# Altium PCB PCB1.PcbDoc (part 2 of 2)
Units mm, origin at the board's own origin, x right, y up, seen from the top; angles counter-clockwise.
Board outline 115 x 192.02 mm, 4 copper layers (Top Layer, Signal Top, Signal Bottom, Bottom Layer), stack 0.356 mm thick; 201 components, 226 nets, 802 pads, 2 vias.
Unrouted connection lines stored in the file: 532.
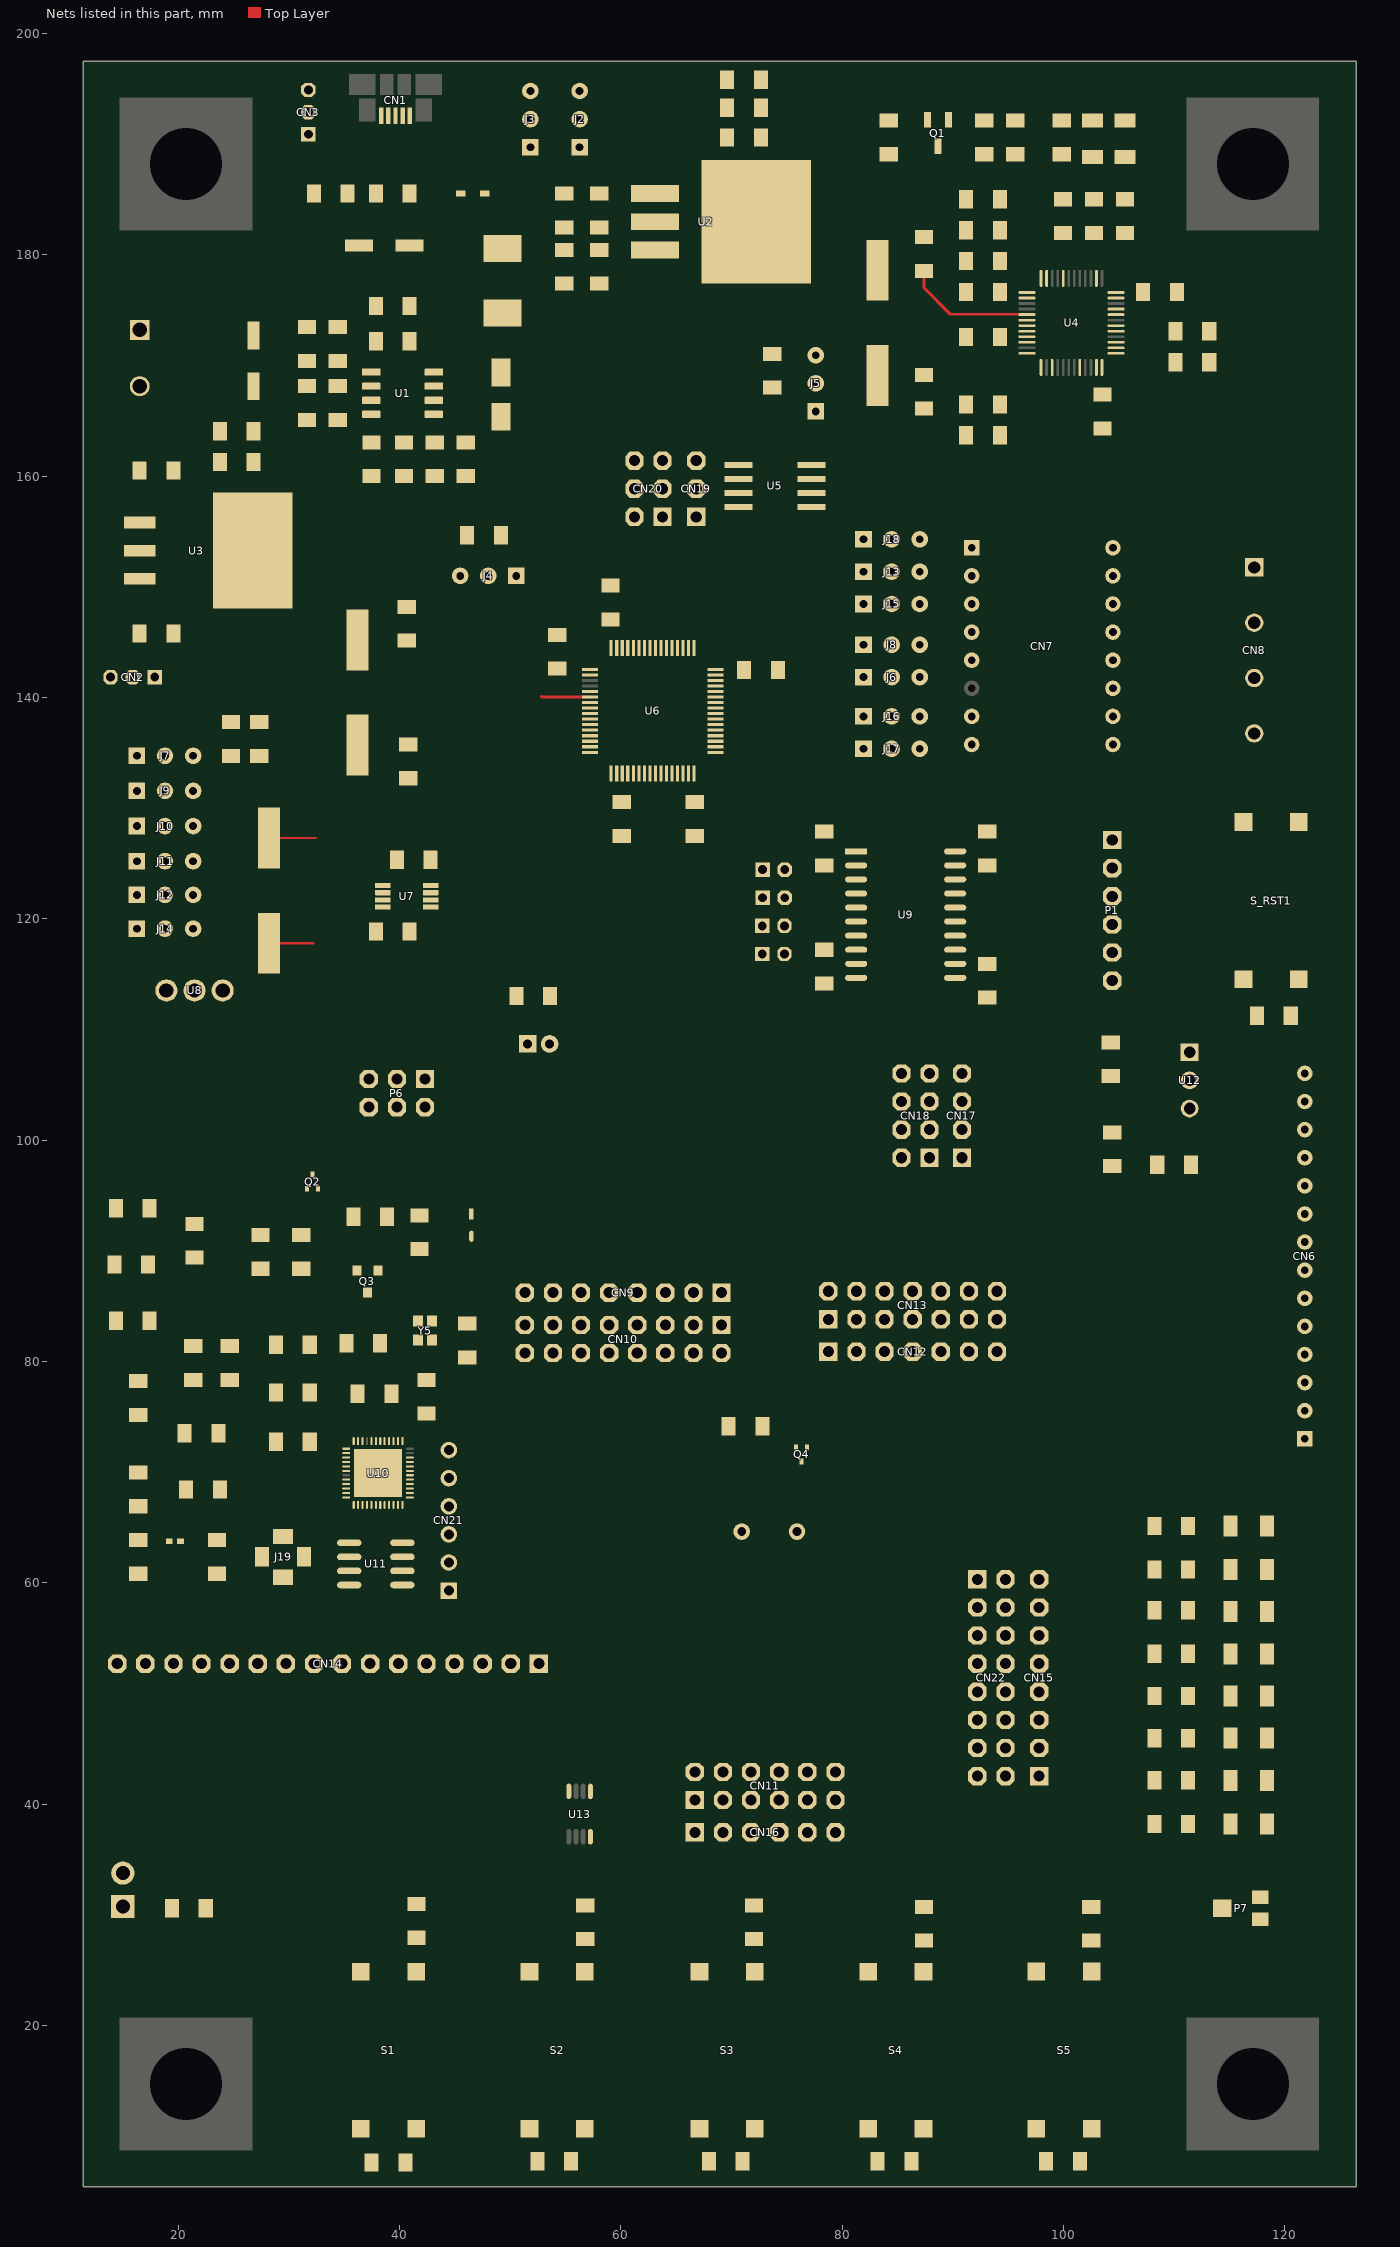
[diagram p2: the nets of this part, all layers, seen from the top]

## Part data
BUZ1: "Buzzer"
C1 C4: library part "Cap Pol", "Polarized Capacitor SMD low ESR ±1%", ComponentLink1Description=datasheet, ComponentLink2Description=supplier
C2 C3 C5 C6 C7 C8 C9 C10 C12 C13 C14 C15 C23: library part Cap, "Ceramic capacitor MLCC SMD ±5%", ComponentLink1Description=datasheet, ComponentLink2Description=supplier
C11: library part Cap, "Ceramic capacitor MLCC SMD ±5%", Voltage=100VDC, ComponentLink1Description=datasheet, ComponentLink2Description=supplier
C16: library part Cap, "Ceramic capacitor MLCC SMD ±1%", Voltage=100VDC, ComponentLink1Description=datasheet, ComponentLink2Description=supplier
C17 C18 C19 C20 C21 C22 C24 C25 C26 C27 C28 C29 C30 C33 C34 C35 C38 C39 C40 C41 C42 C43 C44 C45 C46 C47 C48 C49 C50 C51 C52 C53 C54 C55 C56 C57 C58: library part Cap, "Ceramic capacitor MLCC SMD ±1%", ComponentLink1Description=datasheet, ComponentLink2Description=supplier
C59 C60 C61 C62 C63 C64 C65: library part Cap, "Capacitor", ComponentLink1Description=datasheet, ComponentLink2Description=supplier
CN1: "Molex 473460001 microUSB Connector", Supplier Part Number 1=2426321, Published=20-Mar-2006, Shop link="TME: @MX-105017-0001", Supplier 1=Farnell, Supplier 2=TME, Supplier Part Number 2=MX-47346-0001
CN2 CN3: "Goldpin type: male 2.54mm"
CN6: library part DISPLAY_TFT_Socket_1x14
CN7: library part Step_motor_Socket_TMC2209
CN8: library part Terminal_block_1x4, 3D model link=https://www.snapeda.com/parts/282836-4/TE%20Connectivity/view-part/?ref=search&t=282836-4, Model=282836-4, Shop link=https://www.tme.eu/pl/details/282836-4/listwy-zaciskowe-do-druku/te-connectivity/
CN21: library part "Header 6", "Header, 6-Pin", LatestRevisionDate=17-Jul-2002, LatestRevisionNote="Re-released for DXP Platform.", Publisher="Altium Limited"
D1: library part CMP-1667-00003-2, "Diode Schottky SMA Capacitance 250mF forward Voltage 500mV", Average Rectified Current=3A, Capacitance=250pF, Case/Package=SMA, Forward Voltage=500mV, Max Forward Surge Current (Ifsm)=80A, Max Operating Temperature=125°C, Max Repetitive Reverse Voltage (Vrrm)=40V, Min Operating Temperature=-55°C, Package Quantity=5000, Peak Reverse Current=500uA, 3D model=https://octopart.com/b340a-13-f-diodes+inc.-325815?r=sp, Contact Plating=Tin, Current=3A, Current Rating=3A, Element Configuration=Single, Footprint model=https://octopart.com/b340a-13-f-diodes+inc.-325815?r=sp, Forward Current=3A, Height=2.3mm, Lead Free="Lead Free", Length=4.6mm, Max Reverse Voltage (DC)=40V, Mount="Surface Mount", Number of Pins=2, Output Current=3A, Packaging="Tape and Reel", Peak Non-Repetitive Surge Current=80A, Polarity=Standard, Radiation Hardening=No, REACH SVHC="No SVHC", Shop link="RS Components: @7384778P", Termination=SMD/SMT, Voltage=40V, Voltage Rating (DC)=40V, Weight=0.002258oz, Width=2.92mm
D2: library part CMP-12187-000028-1, "Diode schottky RRM", Average Rectified Current=3A, Forward Voltage=580mV, Max Forward Surge Current (Ifsm)=5A, Max Operating Temperature=150°C, Max Repetitive Reverse Voltage (Vrrm)=10V, Max Reverse Leakage Current=7.5uA, Min Operating Temperature=-65°C, Package Quantity=1, 3D model=https://octopart.com/search?autosugg_idx=0&currency=USD&oq=BAT60JFILM&q=BAT60JFILM&specs=1, Contact Plating=Tin, Current=3A, Current Rating=3A, Element Configuration=Single, Footprint model=https://octopart.com/search?autosugg_idx=0&currency=USD&oq=BAT60JFILM&q=BAT60JFILM&specs=1, Forward Current=3A, Height=1.07mm, Lead Free="Lead Free", Length=1.8mm, Max Reverse Voltage (DC)=10V, Max Surge Current=5A, Mount="Surface Mount", Number of Pins=2, Packaging="Tape and Reel", Peak Non-Repetitive Surge Current=5A, Peak Reverse Current=7.5uA, Polarity=Standard, Radiation Hardening=No, REACH SVHC="No SVHC", Shop link="RS-Components: @7146879P", Voltage=10V, Weight=0.01lb, Width=1.45mm
D3: library part LED_GREEN, "GREEN LED", Published=04-Apr-2006
D4: library part LED_RED, "RED LED", Published=04-Apr-2006
D5: library part CMP-07163-000040-1, "DIODE GEN PURP 75V 150MA SOD323F", Average Rectified Current=150mA, Forward Voltage=1V, Max Forward Surge Current (Ifsm)=2A, Max Operating Temperature=150°C, Max Repetitive Reverse Voltage (Vrrm)=75V, Min Operating Temperature=-55°C, Package Quantity=1, Peak Reverse Current=5uA, Power Dissipation=200mW, ComponentLink1Description=TME, ComponentLink1URL=https://www.tme.eu/en/details/1n4148ws/smd-universal-diodes/onsemi/, Contact Plating=Tin, Element Configuration=Single, Forward Current=150mA, Height=1mm, Lead Free="Lead Free", Length=1.8mm, Max Reverse Voltage (DC)=75V, Mount="Surface Mount", Number of Pins=2, Packaging="Tape and Reel", Radiation Hardening=No, REACH SVHC="No SVHC", Recovery Time=4ns, Reverse Recovery Time=4ns, Reverse Voltage=75V, Weight=0.0276g, Width=1.35mm
D6 D7 D8 D9 D10 D11 D12 D13: library part LED_GREEN, "GREEN LED", Current=20mA, Voltage=2,2-2,5V, Brightness=3,2÷12,5mcd, Light Angle=120, Product Nr=KP-3216SGD, Published=04-Apr-2006, Supplier="KINGBRIGHT ELECTRONIC"
D14: library part LED, "Typical RED, GREEN, YELLOW, AMBER GaAs LED", Published=04-Apr-2006
J1: library part CMP-2000-05815-1, "PCB Terminal Block Phoenix Contact,, 2-Pin THD, RoHS, Bulk", Current=13.5A, Current Rating=13500mA, Manufacturer="Phoenix Contact", Package Description="2-Pin Through Hole Device, Body 8.1 x 10.16 mm, Pitch 5.08 mm", Package Reference=1729128-2, Package Version=03/2015, Voltage=400V, 3D model=https://octopart.com/1729128-phoenix+contact-4366?r=sp, Datasheet URL=https://datasheet.ciiva.com/16046/1729128-16046181.pdf, Datasheet Version=12/2013, Footprint model=https://octopart.com/1729128-phoenix+contact-4366?r=sp, Manufacturer URL=http://www.phoenixcontact.com/, Mounting Technology=ThroughHole, No. of Positions=2, No. of Rows=1, Orientation=Horizontal, Package URL=https://www.phoenixcontact.com/online/portal/pi/pxc/product_detail_page/!ut/p/b1/3VdJjqNKFDxLH8AFycySyWY2ozFsEPOMMQaDOX1XedGL_1Vdm5YXJleknhSKeBkvI6EA8ncAo3AYoDhBQGco6KN7VURTdemj9us_IEKEZo_YHiPAEWEFmDGOHMORkqKYCORBZxgL7ZoaZYcbFFUZ3fqxSY6GOuxydWUuHqz1ynmMFygu583Bob0Ewr6Sd_l-5m-kAueHiB0jpRwZwe58wwtkpxtMYd_LmGcDRU02dRNEyWt6Y2ti5pSyJ_reIkzIulrqApdnbT11V5jnCKbYNCvhEM1MCpPByat_X379-iThf08CI5GfOPqfBeS3BRoBOdD55AKVv0iLwCMq-2BrzXWSGRH7pUGD9uwXQjiph3xL0DKQwdGa0JImiIOmBNOestqgwTHSSs2oOep-78apyXQBvNi8ZLaFjvjWvcaUEBu0MC6Wbe-d6mB0FAebo2lUWinqYaZs5DAYzV0RP9yitUjnGJ0iI9xhZkT42OCQNUJJhkgWINNQLP2JFP6OpMg3JCVg70jqHT0lvKOnhHf0lPuOnnLf0VPuWx6_dxwUIvwk5WMkT0kLL1mh61l2yZVSzG3pYV_bqo-mj6uMKwKwdnnW8Jh5RTOJzMOA5c-eJDaZQw4mTMPH02PvS_ZAqNVjVTo2WyYLkwH_KU1mmmG5kjRhDqPXLwwVHvVOjCM60-fpXvTDfMGW1PVFVS1r4e4yVDk4ZdNbkUHvqPqQSeian4UD39fNKmachqdJ1NJbyk8rXT9mXTvPk3oE5meulKGgiruPJek-4I9hTT6G8ZLOyRSm2RRVbThERQad5OS28hdt4YW4vG0stgYYzsWsK4_7y6DZMjJSCqri1kyiZR5vD7pwIrNR7QwPHTcLTI5qT7eRlpHrdGiupYlqQDJ7zy_CND8fWWBoLRXxk1RVcXiBQwbTD4Xi7KL-FuO94t9xaqweXzH, Packing=Bulk, PartNumber=1729128, Pitch=5.08mm, RoHS=TRUE, Shop link="Digi-Key: @277-1247-ND"
J2 J3 J4 J5 J6 J7 J8 J9 J10 J11 J12 J13 J14 J15 J16 J17 J18: library part Jumper1x3
J19: library part CMP-2000-05707-1, "Female MMCX Connector, 1 Position, Height 3.607 mm, -40 to 90 degC, RoHS, Bulk", Dielectric Material=LiquidCrystalPolymer(LCP), Frequency - Max=6GHz, Housing Color=Black, Manufacturer=Amphenol, Operating Temperature=-55°C~155°C, Package Description="Female MMCX Connector, 1 Position, Height 3.607 mm", Package Reference=908-22101, Standard Package=1, Voltage Rating=-, 3D model=908-22101.igs, Body Finish=Gold, Body Material=BerylliumCopper, Cable Group=-, Category=Connectors,Interconnects, Center Contact Material=BerylliumCopper, Center Contact Plating=Gold, ComponentLink1Description=TME, ComponentLink1URL=https://www.tme.eu/pl/details/908-22101t/zlacza-mcx-mmcx/amphenol-icc/, Connector Style=MMCX, Connector Type=Jack,FemaleSocket, Contact Termination=Solder, Datasheet URL=http://www.amphenolrf.com/downloads/dl/file/id/2664/product/2399/908_22101_customer_drawing.pdf, Datasheet Version="Rev. A, 05/1997", Family=CoaxialConnectors(RF), Fastening Type=Snap-On, Features=-, Impedance=50Ohm, Ingress Protection=-, Manufacturer URL=http://www.amphenol.com/, Mounting Technology=SurfaceMount, Mounting Type=SurfaceMount, Online Catalog=MMCX,MicroMate™Series, Other Names=90822101ARF1724, Packaging=Bulk, Series=MicroMate™, Shield Termination=Solder
L1: library part CMP-02424-000104-1, "IHLP2525CZER6R8M01 Commercial Inductors, High Saturation Series 6.8uH 4.5A 60mΩ 20%", Case Code (Imperial)=2525, Case Code (Metric)=6363, Current=4.5A, DC Resistance (DCR)=60mR, Inductance Tolerance=20%, Max DC Current=8A, Max Operating Temperature=125°C, Min Operating Temperature=-55°C, Package Quantity=2000, Self Resonant Frequency=5MHz, Test Frequency=100kHz, 3D model=https://octopart.com/ihlp2525czer6r8m01-vishay-39619540?r=sp#CadModels, Case/Package=2525, Contact Plating=Tin, Core Material=Metal, Current Rating=4.5A, Depth=6.72mm, Footprint model=https://octopart.com/ihlp2525czer6r8m01-vishay-39619540?r=sp#CadModels, Height=3mm, Height - Seated (Max)=0.118inch, Inductance=6.8uH, Lead Free="Lead Free", Length=7.24mm, Military Standard=Not, Mount="Surface Mount", Number of Pins=2, Packaging="Tape and Reel", Radiation Hardening=No, RMS Current (Irms)=4.5A, Saturation Current=8A, Shielding=Shielded, Shop link="Mouser: @70-IHLP2525CZER6R8M1", Termination=SMD/SMT, Tolerance=20%, Width=0.255inch
L3: library part Inductor, "0402", Code_IEC=1005, Code_JEITA=0402, ComponentLink1Description="New link", ComponentLink1URL=https://www.tme.eu/pl/details/0402as-2n7k-08/dlawiki-smd-0402/fastron/, LatestRevisionDate=29-May-2009, LatestRevisionNote="IPC-7351 Footprint Added.", PackageDescription="Chip Inductor", PackageReference=0402-A, Published=8-Jun-2000, Publisher="Altium Limited"
P1: library part CN_6x1
P2 P3 P4 P5: library part CN_2x1
P7: library part 3305SMD-10K, "3305SMD-10K", ComponentLink1Description=datasheet, ComponentLink2Description=supplier, Published=21-10-2009
Q1: library part CMP-1048-00073-1, "Bipolar Transistor,, Low VCE(sat), NPN Single, 3-Pin CPH, Pb-Free, Tape and Reel", Current="0.7 A", Manufacturer="On Semiconductor", Voltage="30 V", 3D model=https://octopart.com/30c02ch-tl-e-onsemi-20815499?r=sp#Specs, ComponentLink1Description="Manufacturer URL", ComponentLink1URL=http://www.onsemi.com/, ComponentLink2Description=Datasheet, ComponentLink2URL=http://www.onsemi.com/pub_link/Collateral/30C02CH-D.PDF, ComponentLink3Description="Package Specification", ComponentLink3URL=http://www.onsemi.com/pub_link/Collateral/50A02CH-D.PDF, Footprint model=https://octopart.com/30c02ch-tl-e-onsemi-20815499?r=sp#Specs, IC Continuous (A)=0.7, Mounting Technology="Surface Mount", PackageDescription="3-Pin Small Outline Transistor, Body 2.9 x 1.6 mm, Pitch 0.95 mm", PackageReference=CPH-3, Packing="Tape and Reel", PartNumber=30C02CH-TL-E, Polarity=NPN, RoHS=TRUE, Shop link="Digi-Key: @30C02CH-TL-EOSTR-ND"
Q2: library part CMP-1048-00415-1, "PNP Silicon General Purpose Amplifier Transistor, 3-Pin SC-75, Pb-Free, Tape and Reel", Manufacturer="On Semiconductor", PartNumber=2SA1774G, ComponentLink1Description="Manufacturer URL", ComponentLink1URL=http://www.onsemi.com/, ComponentLink2Description=Datasheet, ComponentLink2URL=http://www.onsemi.com/pub_link/Collateral/2SA1774-D.PDF, ComponentLink3Description="Package Specification", ComponentLink3URL=http://www.onsemi.com/pub_link/Collateral/463-01.PDF, ComponentLink4Description=TME, ComponentLink4URL=https://www.tme.eu/en/details/2sa1774g/pnp-smd-transistors/onsemi/, DatasheetVersion="Rev. 9", IC Continuous (A)=-0.1, Mounting Technology="Surface Mount", PackageDescription="3-Pin Small Outline Transistor, Body 1.6 x 0.8 mm, Pitch 0.5 mm", PackageReference=SC-75-3-463-01, PackageVersion="Rev. F, 07/2005", Packing="Tape and Reel", Polarity=PNP, RoHS=TRUE
Q3: library part CMP-1048-00763-1, "General Purpose Transistor, NPN Silicon, 3-Pin SOT-23, Pb-Free, Tape and Reel", Manufacturer="On Semiconductor", PartNumber=BC847ALT1G, ComponentLink1Description="Manufacturer URL", ComponentLink1URL=http://www.onsemi.com/, ComponentLink2Description=Datasheet, ComponentLink2URL=http://www.onsemi.cn/pub_link/Collateral/BC846ALT1-D.PDF, ComponentLink3Description="Package Specification", ComponentLink3URL=http://www.onsemi.cn/pub_link/Collateral/318-08.PDF, ComponentLink4Description=TME, ComponentLink4URL=https://www.tme.eu/en/details/bc847alt1g/npn-smd-transistors/onsemi/, DatasheetVersion="Rev. 11", fT Min (MHz)=100, IC Continuous (A)=0.1, Mounting Technology="Surface Mount", PackageDescription="3-Pin Small Outline Transistor, Body 2.92 x 1.3 mm, Pitch 0.95 mm", PackageReference=SOT-23-3-318-08, PackageVersion="Rev. AP, 11/2009", Packing="Tape and Reel", Polarity=NPN, RoHS=TRUE
Q4: library part CMP-1048-00420-1, "General Purpose Transistor, NPN Silicon, 3-Pin SC-75, Pb-Free, Tape and Reel", Manufacturer="On Semiconductor", ComponentLink1Description="Manufacturer URL", ComponentLink1URL=http://www.onsemi.com/, ComponentLink2Description=Datasheet, ComponentLink2URL=http://www.onsemi.cn/pub_link/Collateral/MMBT3904TT1-D.PDF, ComponentLink3Description="Package Specification", ComponentLink3URL=http://www.onsemi.com/pub_link/Collateral/463-01.PDF, DatasheetVersion="Rev. 5", fT Min (MHz)=300, IC Continuous (A)=0.2, Mounting Technology="Surface Mount", PackageDescription="3-Pin Small Outline Transistor, Body 1.6 x 0.8 mm, Pitch 0.5 mm", PackageReference=SC-75-3-463-01, PackageVersion="Rev. F, 07/2005", Packing="Tape and Reel", PartNumber=MMBT3904TT1G, Polarity=NPN, RoHS=TRUE
R1 R2 R3 R4 R5: library part Res, "Resistor SMD  ±1%", ComponentLink1Description=datasheet, ComponentLink2Description=supplier, Published=19-Feb-2006
R6 R7 R8 R9 R10 R11 R12 R13 R14 R15 R16 R17 R18 R19 R20 R21 R22 R23 R24 R25 R26 R28 R29 R30 R31 R32 R33: library part Res, "Resistor SMD  ±5%", ComponentLink1Description=datasheet, ComponentLink2Description=supplier, Published=19-Feb-2006
R34 R35 R36 R37 R38 R39 R40 R41 R42 R43 R44 R45 R46 R47 R48 R49 R50: library part Res, "Resistor", ComponentLink1Description=datasheet, ComponentLink2Description=supplier, Published=19-Feb-2006
S1 S2 S3 S4 S5 S_RST1: "DIPTRONICS Brown 12x12mm SMD Tactile SPST-NO Switch", Supplier Part Number 1=DTSM-25N-V-B, Supplier 1=TME
U1: library part CMP-0323-00203-3, "Buck Step Down Regulator SMD  -40 to 150 degC,", Current=3A, Manufacturer="Texas Instruments", Rating=Catalog, Switch Current Limit(Typ)(A)=3.5, Voltage="3.5 to 28 VIN ; 0.8 to 25 VOUT", 3D model=https://octopart.com/tps54331d-texas+instruments-8252552?r=sp, Code_JEDEC=MS-012AA, ComponentLink1Description=Datasheet, ComponentLink1URL=http://www.ti.com/general/docs/lit/getliterature.tsp?genericPartNumber=TPS54331&fileType=pdf, ComponentLink2Description="Package Specification", ComponentLink2URL=http://www.ti.com/litv/pdf/msoi002j, ComponentLink3Description="URL Link1", ComponentLink3URL="Samples URL:http://www.ti.com/product/tps54331#samples", DatasheetVersion=SLVS839D, Duty Cycle(Max)(%)=90, Eco-Plan="Green (RoHS & no Sb/Br)", Footprint model=https://octopart.com/tps54331d-texas+instruments-8252552?r=sp, Iout(Max)(A)=3, Iq(Typ)(mA)=0.11, Mounting Technology="Surface Mount", PackageDescription="8-Pin Plastic Small Outline Integrated Circuit, 4.9 x 3.9 mm, Pitch 1.27 mm Pitch", PackageReference=D0008A, PackageVersion="revM, Jun-2011", PartNumber=TPS54331D, Regulated Outputs(#)=1, Shop link="RS Components: @6618521P", SubFamily="Step-Down Regulator", Topology=Buck, Vin(Max)(V)=28, Vin(Min)(V)=3.5, Vout(Max)(V)=25, Vout(Min)(V)=0.8
U2: library part CMP-06324-000026-1, "IC REG LINEAR 3.3V 3A TO263-3", Case/Package=TO-263-4, Dropout Voltage=370mV, Max Operating Temperature=125°C, Min Operating Temperature=-40°C, Output Current=3A, Output Voltage=3.3V, Lead Free="Lead Free", Mount="Surface Mount", Number of Regulators=1, Packaging="Tape and Reel", Shoplink="TME: @ MIC29300-3.3WU"
U3: library part CMP-0062-00646-4, "Series 3-Terminal Positive Regulators, 3-pin TO-263, Pb-Free", Current=1.5A, Manufacturer="Texas Instruments", PackageTopMarking="NSUZXYTTE#*LM340S*-12 P+", PowerWise=N, Voltage=35V, 3D model=https://octopart.com/lm340s-12%2Fnopb-texas+instruments-24813791?r=sp#CadModels, Code_JEDEC=MO-169-AA, ComponentLink1Description="Datasheet URL", ComponentLink1URL=http://www.ti.com/general/docs/lit/getliterature.tsp?genericPartNumber=LM340&fileType=pdf, CompType="LDO IC", Footprint model=https://octopart.com/lm340s-12%2Fnopb-texas+instruments-24813791?r=sp#CadModels, PackageDescription="TO-263, Molded, .400 x .390 x .180in, 3 Lead, .1in Pitch, Surface Mount", PackageReference=KTT0003B, PinCount=3, RoHS=Y, Shop link="Mouser: @926-LM340S-12/NOPB"
U4: library part CMP-0237-00250-3, "ARM Cortex-M3 32-bit MCU, 128 KB Flash, 20 KB Internal RAM, 37 I/Os, 48-pin LQFP, -40 to 85 degC, Tray", I/Os (High Current)=37, Operating Frequency(F) (Processor speed) (MHz)=72, Supply Voltage(Vcc) min (V)=2, Voltage=3.3V, 3D model=https://octopart.com/stm32f103cbt6-stmicroelectronics-7868657?r=sp#Specs, A/D Converter="2x12-bit (10 Channel)", ComponentLink1Description="Manufacturer URL", ComponentLink1URL=http://www.st.com/web/en/home.html, ComponentLink2Description=Datasheet, ComponentLink2URL=http://www.st.com/st-web-ui/static/active/en/resource/technical/document/datasheet/CD00161566.pdf, ComponentLink3Description="Package Specification", ComponentLink3URL=http://www.st.com/st-web-ui/static/active/en/resource/technical/document/datasheet/DM00058181.pdf, Core="ARM Cortex-M3", DatasheetVersion="Rev. 16", FLASH Size (Prog) (kB)=128, Footprint model=https://octopart.com/stm32f103cbt6-stmicroelectronics-7868657?r=sp#Specs, Internal RAM Size (kB)=20, Mounting Technology="Surface Mount", PackageDescription="48-Pin Low Profile Quad Flat Package, 7 x 7 mm Body, 0.5 mm Pitch", PackageReference=LQFP48, PackageVersion="Rev. 6, 06/2013", Packing=Tray, PartNumber=STM32F103CBT6, Shop link="Digi-Key: @497-6288-ND"
U5: library part EEPROM_24LC512_I/SN, 3D model link=https://www.snapeda.com/parts/24LC512-I/SN/Microchip%20Technology/view-part/?ref=search&t=%2024LC512-I%2FSN, Assembly type=SMD, Footprint link=https://www.snapeda.com/parts/24LC512-I/SN/Microchip%20Technology/view-part/?ref=search&t=%2024LC512-I%2FSN, Model=24LC512-I/SN, Shop link=https://www.tme.eu/pl/details/24lc512-i_sn/pamieci-eeprom-szeregowe/microchip-technology/
U6: library part ARM_Microcontroller_STM32L476RG, 3D model link=https://www.st.com/en/microcontrollers-microprocessors/stm32l476rg.html#cad-resources, Assembly type=SMD, Footprint link=https://www.snapeda.com/parts/STM32L476RGT6/STMicroelectronics/view-part/?ref=search&t=STM32L476RGT6, Model=STM32L476RGT6, Shop link=https://pl.mouser.com/ProductDetail/STMicroelectronics/STM32L476RGT6?qs=o58qnh%2FCpu44V%252B7CaDZzCA%3D%3D
U7: library part RTC_DS1339AU, 3D model link=https://www.snapeda.com/parts/DS1339AU%2B/Maxim%20Integrated/view-part/?ref=search&t=DS1339AU%2B, Assembly type=SMD, Footprint link=https://www.snapeda.com/parts/DS1339AU%2B/Maxim%20Integrated/view-part/?ref=search&t=DS1339AU%2B, Model=DS1339AU+, Shop link=https://www.tme.eu/pl/details/ds1339au+/uklady-rtc/analog-devices-maxim-integrated/
U8: library part Encoder_EC12E1220405, 3D model link=https://www.snapeda.com/parts/EC12E1220405/ALPS/view-part/?ref=search&t=EC12E1220405, Footprint link="Own design", Model=EC12E1220405, Shop link=https://www.tme.eu/pl/details/ec12e1220405/enkodery-inkrementalne/alps/
U9: library part CMP-09096-000011-1, "DGTL ISO RS422/RS485 20SOIC TME@ADM2587EBRWZ-REEL7", Manufacturer="Analog Devices", Max Supply Voltage=5V, Min Supply Voltage=3.3V, Nominal Supply Current=72-125mA, Package=RW-20, Temperature="-40°C to +85°C", Temperature Range High=+85°C, Temperature Range Low=-40°C, Automotive=No, Category=IC, ComponentLink2Description=Datasheet, ComponentLink2URL=https://www.analog.com/media/en/technical-documentation/data-sheets/adm2582e_2587e.pdf, ComponentLink3Description=TME, ComponentLink3URL=https://www.tme.eu/pl/details/adm2587ebrwz-reel7/uklady-scalone-interfejs-rs232-422-485/analog-devices/, Data Rate=500kbits/s, Device Class L1="Integrated Circuits (ICs)", Device Class L2="Interface ICs", Device Class L3="RS-232 / RS-422 / RS-485 Interface ICs", Digikey Description="DGTL ISO RS422/RS485 20SOIC", Height=2.65mm, Interface=RS-485,RS-422, Ipc Land Pattern Name=SOIC127P1032X250-20, Lead Free=Yes, Manufacturer Part Number=ADM2587EBRWZ-REEL7, Mouser Description="Digital Isolators 2.5kV Sgnl & Pwr Iso Full/Hlf Duplx", Number Of Receivers=1, Number Of Transmitters=1, Octopart=https://octopart.com/adm2587ebrwz-reel7-analog+devices-12809043, RoHS=TRUE, Simplex Duplex="Full Duplex", Standoff Height=0.1mm
U10: library part CMP-194065-000007-1, "IC RF TXRX+MCU BLUETOOTH 48VFQFN", Current - Receiving=100mA, Current - Transmitting=240mA, Frequency=2.4GHz, Max Operating Temperature=125°C, Min Operating Temperature=-40°C, Data Rate=150Mbps, Interface=I2C, Memory Size=520KB, Number of GPIO=34, Packaging="Tape and Reel", Sensitivity=-98dBm
U11: library part CMP-0357-00072-1, "4 Mb (x1) Serial NOR Flash Memory, 75 MHz, 2.3 to 3.6 V, 8-pin SO8 Narrow (MN), Tube", Manufacturer=Micron, Package="SO8 NarrowÂ", Voltage=2.3V-3.6VÂ, Applications=EmbeddedÂ, ComponentLink1Description="Manufacturer URL", ComponentLink1URL=http://www.micron.com/, ComponentLink2Description=Datasheet, ComponentLink2URL=http://www.micron.com/~/media/Documents/Products/Data%20Sheet/NOR%20Flash/Serial%20NOR/M25P/M25P40.pdf, ComponentLink3Description="Package Specification", ComponentLink3URL=http://www.micron.com/~/media/Documents/Products/Data%20Sheet/NOR%20Flash/Serial%20NOR/M25P/M25P05A.pdf, DatasheetVersion="Rev. Y", Density=4MbÂ, Mounting Technology="Surface Mount", PackageDescription="8-Pin SO Narrow, 3.9 X 4.9 mm, Pitch 1.27 mm", PackageReference=MICT-MN-8, PackageVersion="Rev 11", Part Family=M25PÂ, Part Status=ProductionÂ, PartNumber=M25P40-VMN6P, RoHS=YesÂ, Speed="75 MHzÂ", Type="Data StorageÂ", Width=x1Â
U12: library part TSOP31236, "Remote Receiver Sensor, 36.0kHz 45m Through Hole", Package=None, Availability=Unavailable, MF="Vishay Semiconductor", MP=TSOP31236, Price=None, SnapEDA_Link=https://www.snapeda.com/parts/TSOP31236/Vishay%20Semiconductor%20Opto%20Division/view-part/266363/?ref=snap
U13: library part CMP-0253-00036-2, "High-Precision 1-Wire Digital Thermometer, -55 to 125 degC, 8-Pin SOP (U8+1), Pb-Free", Generic Part Number=DS18B20, Temp. Thresh.="Programmable (NV)", Code_JEDEC=MO-187, ComponentLink1Description="Manufacturer URL", ComponentLink1URL=http://www.maximintegrated.com/, ComponentLink2Description=Datasheet, ComponentLink2URL=http://datasheets.maximintegrated.com/en/ds/DS18B20.pdf, ComponentLink3Description="Package Specification", ComponentLink3URL=http://pdfserv.maximintegrated.com/package_dwgs/21-0036.PDF, DatasheetVersion="Rev. 4", Interface=1-Wire, Mounting Technology="Surface Mount", Multi Droppable=Yes, PackageDescription="8-Pin Micro-MAX, Thin Shrink Small-Outline (U8+1), Body 3 x 3 mm, Pitch 0.65 mm", PackageReference=U8+1, PackageVersion="Rev. L, 08/2009", Parasite Pwr.=Yes, PartNumber=DS18B20U+, RoHS=Pb-Free, Sensor Type=Local
Y1 Y2 Y3: library part XTAL_2PIN, "Crystal Oscillator (20pF)", ComponentLink1Description=datasheet, ComponentLink2Description=supplier
Y5: library part CMP-06858-000003-1, "XTAL OSC XO 40.0000MHZ CMOS SMD", Case/Package=CSMD, Frequency=40MHz, Frequency Stability=50ppm, Load Capacitance=15pF, Max Operating Temperature=70°C, Max Supply Current=15mA, Max Supply Voltage=3.63V, Min Operating Temperature=-10°C, Min Supply Voltage=2.97V, Operating Supply Voltage=3.3V, Package Quantity=3000, Contact Plating=Gold, Depth=2mm, Height=0.039inch, Length=2.5mm, Mount="Surface Mount", Packaging="Tape and Reel", Radiation Hardening=No, Termination=SMD/SMT, Width=0.079inch
L2: Assembly type=THT, Model=COIL0406-0.1, Shop link=https://www.tme.eu/pl/details/coil0406-0.1/dlawiki-pionowe/ferrocore/

## Free pads (board coordinates)
  rect 12x12 hole 6.5 paste+0 mask+0.03: 1(20.701,188.214) 2(117.094,188.214) 3(20.701,14.732) 4(117.094,14.732)

## Via types
v1: diameter 6, hole 3, Top Layer to Bottom Layer, 2 vias

## Nets (pads, with @x,y where several pads share a name; then routed paths per layer and width w, separated by ;. In a path a pad name is that pad's centre, name@x,y a point inside that pad or via, vN(x,y) a via of type N, cw(c..) or ccw(c..) an arc to the next point about the centre after c; other vN are vias at no path point)
+5V: BUZ1.1 C1.1 C3.2 CN1.1 CN3.3 D2.2 L1.2 P7.2 R2.2 R10.2 R35.1 R36.1 R37.1 R38.1 R39.1 R40.1 R41.1 R42.1 R43.1 R44.1 R45.1 R46.1 R47.1 R48.1 R49.2 R50.1 U13.8
+12V: C11.2 CN2.3 CN7.9 U3.3
AGND: C33.1 U6.12
BOOT0: J4.2 U6.60
CNA1: CN9.1 CN10.1
CNA2: CN9.2 CN10.3
CNA3: CN9.3 CN10.5
CNA5: CN9.5 CN10.9
CNA6: CN9.6 CN10.11
CNA7: CN9.7 CN10.13 P7.3
CNA8: CN9.8 CN10.15
CNA13: CN17.2 CN17.3 CN18.3 CN18.5
CNA15: CN17.4 CN18.7
CNB0: CN12.6 CN13.11
CNB1: CN12.5 CN13.9
CNB2: CN12.4 CN13.7
CNB3: CN12.3 CN13.5
CNB4: CN12.2 CN13.3
CNB5: CN12.1 CN13.1
CNB11: CN12.7 CN13.13
DISP_TFT_DC: CN6.10 U6.62
DISP_TFT_RST: CN6.11 U6.29
DISP_TFT_T_IRQ: CN6.1 U6.61
EEPROM_0: CN19.3 CN20.5
EEPROM_1: CN19.2 CN20.3
EEPROM_2: CN19.1 CN20.1
EEPROM_A0: CN20.6 U5.1
EEPROM_A1: CN20.4 U5.2
EEPROM_A2: CN20.2 U5.3
EN_A: J12.3 U8.1
EN_B: J14.3 U8.3
ESP.VDD_SDIO: C42.2 U10.26
ESP_0RXD: P6.3 Q3.3 R30.2 U10.40
ESP_0TXD: P6.4 R31.1 U10.41
ESP_CLK: U10.31 U11.6
ESP_GPIO0: CN14.16 U10.23
ESP_GPIO2: CN14.15 U10.22
ESP_GPIO4: CN14.14 U10.24
ESP_GPIO5: CN14.13 U10.34
ESP_GPIO12: CN21.3 U10.18
ESP_GPIO13: CN21.4 U10.20
ESP_GPIO14: CN21.1 U10.17
ESP_GPIO15: CN21.2 U10.21
ESP_GPIO16: CN14.12 U10.25
ESP_GPIO17: CN14.11 U10.27
ESP_GPIO18: CN14.10 U10.35
ESP_GPIO19: CN14.9 U10.38
ESP_GPIO21: CN14.8 U10.42
ESP_GPIO22: CN14.7 U10.39
ESP_GPIO23: CN14.6 U10.36
ESP_GPIO25: CN14.5 U10.14
ESP_GPIO26: CN14.4 U10.15
ESP_GPIO27: CN14.3 U10.16
ESP_GPIO32: CN21.5 U10.12
ESP_GPIO33: CN21.6 U10.13
ESP_GPIO34: CN14.2 U10.10
ESP_GPIO35: CN14.1 U10.11
ESP_SCS: U10.30 U11.1
ESP_SDI: U10.32 U11.5
ESP_SDO: U10.33 U11.2
ESP_SHD: U10.28 U11.7
ESP_SWP: U10.29 U11.3
ESP_VDDA43: C12.2 C13.2 C17.2 C18.2 C19.2 C20.2 C24.2 C25.2 C26.2 C27.2 C28.2 C29.2 C30.2 C38.2 C39.2 C40.2 C41.2 C43.2 C44.2 C46.2 C47.2 C48.2 C49.2 C51.2 C52.2 C53.2 CN6.7 CN6.14 CN7.15 D3.1 J4.1 J5.1 J18.1 L2.1 Q1.3 Q2.2 R7.1 R19.1 R23.1 R24.1 R26.2 R28.1 R30.1 U2.3 U4.1 U4.9 U4.24 U4.36 U4.48 U5.8 U6.1 U6.19 U6.32 U6.48 U6.64 U7.8 U9.2 U9.8 U9.12 U9.19 U10.1 U10.3 U10.4 U10.37 U10.43 U10.46 U11.8 Y5.4
ESP_XTAL_N: C57.2 U10.44 Y5.1
ESP_XTAL_P: C56.2 U10.45 Y5.3
EX_GND: C1.2 C3.1 C4.2 C5.1 C6.1 C8.1 C9.1 C10.1 C11.1 C16.1 CN2.1 CN2.2 CN7.10 D1.2 J1.1 R3.1 R4.1 R5.1 R6.1 U1.7 U3.2 U3.4
GND: C12.1 C13.1 C14.1 C15.1 C17.1 C18.1 C19.1 C20.1 C21.1 C22.1 C23.1 C24.1 C25.1 C26.1 C27.1 C28.1 C29.1 C30.1 C34.1 C35.1 C38.1 C39.1 C40.1 C41.1 C42.1 C43.1 C44.1 C46.1 C47.1 C48.1 C49.1 C51.1 C52.1 C53.1 C55.1 C56.1 C57.1 C58.1 C59.2 C60.2 C61.2 C62.2 C63.2 C64.2 C65.1 CN1.5 CN3.1 CN3.2 CN6.13 CN7.16 D4.2 J5.3 J18.3 J19.2 J19.3 J19.4 L3.1 P1.1 P1.6 P7.1 Q3.2 Q4.2 R6.2 R8.2 R14.2 R15.2 R16.1 R22.1 R25.2 R33.2 S1.2 S2.2 S3.2 S4.2 S5.2 S_RST1.2 U2.2 U2.4 U4.8 U4.20 U4.23 U4.35 U4.47 U5.4 U6.18 U6.31 U6.47 U6.63 U7.3 U7.4 U8.2 U9.1 U9.3 U9.9 U9.10 U9.11 U9.14 U9.16 U9.20 U10.49 U11.4 U12.1 U13.4 Y5.2
I2C_SCL: J7.3 R23.2 U5.6 U7.6
I2C_SDA: J9.3 R24.2 U5.5 U7.5
IR_D: CN9.4 CN10.7 D14.2
IR_OUT: CN17.1 CN18.1 R48.2 U12.3
LED0: CN15.8 CN22.2 D6.2
LED1: CN15.7 CN22.4 D7.2
LED2: CN15.6 CN22.6 D8.2
LED3: CN15.5 CN22.8 D9.2
LED4: CN15.4 CN22.10 D10.2
LED5: CN15.3 CN22.12 D11.2
LED6: CN15.2 CN22.14 D12.2
LED7: CN15.1 CN22.16 D13.2
LED-STLINK: R17.2 R21.2 U4.30
LNA_IN: C54.2 L3.2 U10.2
MOTOR_DIR: CN7.8 J17.3
MOTOR_MS1: CN7.2 J13.3
MOTOR_MS2: CN7.3 J15.3
MOTOR_STEP: CN7.7 J16.3
NetBUZ1_2: BUZ1.2 Q4.3
NetC2_1: C2.1 U1.1
NetC2_2: C2.2 D1.1 L1.1 U1.8
NetC7_1: C7.1 R5.2
NetC7_2: C7.2 C8.2 U1.6
NetC9_2: C9.2 U1.4
NetC14_2: C14.2 C15.2 D2.1 U2.1
NetC21_2: C21.2 U4.5 Y1.2 | length 11.8
  Top Layer w0.25: C21.2@87.376,178.562 87.37,177.044 89.754,174.641 U4.5@96.686,174.613
NetC22_2: C22.2 U4.6 Y1.1
NetC23_2: C23.2 R19.2 U4.7
NetC34_2: C34.2 R9.2 U6.5 Y3.2
NetC35_2: C35.2 U6.6 Y3.1 | length 4.4
  Top Layer w0.3: 52.842,140.082 U6.6@57.195,140.061
NetC54_1: C54.1 C55.2 J19.1
NetC58_2: C58.2 D5.2 R29.2
NetC64_1: C64.1 S_RST1.1 U6.7
NetC65_2: C65.2 R49.1 U12.2
NetCN1_2: CN1.2 J3.2
NetCN1_3: CN1.3 J2.2
NetCN1_4: CN1.4 R22.2
NetCN7_1: CN7.1 J18.2
NetCN7_11: CN7.11 CN8.1
NetCN7_12: CN7.12 CN8.2
NetCN7_13: CN7.13 CN8.3
NetCN7_14: CN7.14 CN8.4
NetD3_2: D3.2 R17.1
NetD4_1: D4.1 R21.1
NetD6_1: D6.1 R36.2
NetD7_1: D7.1 R38.2
NetD8_1: D8.1 R39.2
NetD9_1: D9.1 R40.2
NetD10_1: D10.1 R42.2
NetD11_1: D11.1 R43.2
NetD12_1: D12.1 R44.2
NetD13_1: D13.1 R46.2
NetD14_1: D14.1 R50.2
NetJ2_1: J2.1 R13.2 R20.2
NetJ3_1: J3.1 R18.2
NetJ4_3: J4.3 R25.1
NetJ5_2: J5.2 U5.7
NetJ10_1: J10.1 P4.2
NetJ11_1: J11.1 P5.2
NetP2_2: P2.2 U6.52
NetP3_2: P3.2 U6.51
NetQ1_1: Q1.1 R10.1 R12.1 R14.1
NetQ1_2: Q1.2 R13.1
NetQ2_1: Q2.1 R28.2 R31.2
NetQ3_1: Q3.1 R32.1 R33.1
NetQ4_1: Q4.1 R34.2
NetR1_1: R1.1 R4.2 U1.3
NetR2_1: R2.1 R3.2 U1.5
NetR7_2: R7.2 R8.1 U4.10
NetR9_1: R9.1 U4.29
NetR15_1: R15.1 U4.2
NetR16_2: R16.2 U4.44
NetR26_1: R26.1 U7.7
NetU7_1: U7.1 Y2.2 | length 4.3
  Top Layer w0.2: Y2.2@28.194,127.312 32.448,127.312
NetU7_2: U7.2 Y2.1 | length 4
  Top Layer w0.2: Y2.1@28.194,117.812 32.194,117.812
PA0_UART4_TX: J6.2 U6.14
PA1_UART4_RX: J8.2 U6.15
PA2: U4.13 U6.16
PA3: U4.12 U6.17
PA4: CN10.16 U6.20
PA5: CN10.14 U6.21
PA6: CN10.12 U6.22
PA7: CN10.10 U6.23
PA8: CN10.8 U6.44
PA9: CN10.6 U6.42
PA10: CN10.4 U6.43
PA11: CN10.2 U6.41
PA12: J13.2 U6.45
PA12_IO: CN18.2 J13.1
PA13: J15.2 U6.46
PA13_IO: CN18.4 J15.1
PA14: J16.2 U6.49
PA14_IO: CN18.6 J16.1
PA15: J17.2 U6.50
PA15_IO: CN18.8 J17.1
PB0: CN11.12 U6.26
PB1: CN11.10 U6.27
PB2: CN11.8 U6.28
PB3: CN11.6 U6.55
PB4: CN11.4 U6.56
PB5: CN11.2 U6.57
PB6: J7.2 U6.58
PB6_IO: CN13.12 J7.1
PB7: J9.2 U6.59
PB7_IO: CN13.10 J9.1
PB11: CN13.14 U6.30
PC0: J10.2 U6.8
PC0_IO: CN13.8 J10.3
PC1: J11.2 U6.9
PC1_IO: CN13.6 J11.3
PC2: J12.2 U6.10
PC2_IO: CN13.4 J12.1
PC3: J14.2 U6.11
PC3_IO: CN13.2 J14.1
PC4: CN22.1 U6.24
PC5: CN22.3 U6.25
PC6: CN22.5 U6.37
PC7: CN22.7 U6.38
PC8: CN22.9 U6.39
PC9: CN22.11 U6.40
PC12: CN22.13 U6.53
PC13: CN22.15 U6.2
PD2: R34.1 U6.54
RS_A: P1.2 U9.18
RS_B: P1.3 U9.17
RS_DE: P4.1 U9.6
RS_RE: P5.1 U9.5
RS_RX: P3.1 U9.4
RS_TX: P2.1 U9.7
RS_Y: P1.5 U9.13
RS_Z: P1.4 U9.15
RX_PORT: J2.3 J6.1 P6.5
RX_USB: D5.1 P6.1 R32.2
SENS_CAPN: C45.2 U10.7
SENS_CAPP: C50.2 U10.6
SENS_VN: C45.1 U10.8
SENS_VP: C50.1 U10.5
SPI2_MISO_T_DO: CN6.2 CN6.6 U6.35
SPI2_MOSI_T_DIN: CN6.3 CN6.9 U6.36
SPI2_NSS_T_CS: CN6.4 CN6.12 U6.33
SPI2_SCK_T_CLK: CN6.5 CN6.8 U6.34
SW1: C59.1 CN11.3 CN16.2 R35.2 S1.1
SW2: C60.1 CN11.5 CN16.3 R37.2 S2.1
SW3: C61.1 CN11.7 CN16.4 R41.2 S3.1
SW4: C62.1 CN11.9 CN16.5 R45.2 S4.1
SW5: C63.1 CN11.11 CN16.6 R47.2 S5.1
T_JTCK: U4.15 U4.26
T_JTMS: R11.1 U4.27
T_SWDIO_IN: R11.2 U4.25
TEMP: CN11.1 CN16.1 U13.1
TX_PORT: J3.3 J8.1 P6.6
TX_USB: P6.2 Q2.3 R29.1
UART4_RX_MOTOR: CN7.4 J8.3
UART4_TX_MOTOR: CN7.5 J6.3
USB_DM: R18.1 U4.32
USB_DP: R20.1 U4.33
USB_RENUMn: R12.2 U4.38
Vcc-EXT: C4.1 C5.2 C6.2 C10.2 C16.2 J1.2 R1.2 U1.2 U3.1
VDDA: C33.2 L2.2 U6.13
pads on no net: CN1.S CN7.6 U4.3 U4.4 U4.11 U4.14 U4.16 U4.17 U4.18 U4.19 U4.21 U4.22 U4.28 U4.31 U4.34 U4.37 U4.39 U4.40 U4.41 U4.42 U4.43 U4.45 U4.46 U6.3 U6.4 U10.9 U10.19 U10.47 U10.48 U13.2 U13.3 U13.5 U13.6 U13.7
copper on no net: | length 48.3
  Top Layer w0.2: 32.204,117.802 36.774,122.372 38.475,122.372 ; 32.448,127.317 36.744,123.022 38.475,123.022
  Top Layer w0.3: 40.64,145.161 48.26,145.161 52.86,140.561 54.892,140.561 57.195,140.561 ; 40.783,135.779 48.498,135.779 52.801,140.082 52.842,140.082
  other v1: 15.875,106.045 27.051,106.045

## Silkscreen, mask and mechanical layers (free items; w line width, h text height)
Top Overlay:
  lines w0.2: 49.022,189.674 48.26,189.674 48.26,192.088 49.022,192.088 ; 49.022,192.532 48.26,192.532 48.26,194.945 49.022,194.945 ; 59.182,189.802 59.944,189.802 59.944,192.214 59.182,192.214 ; 59.182,192.595 59.944,192.595 59.944,195.008 59.182,195.008
  text "1" at 49.403,194.564 h1.5
  text "1" at 58.166,194.564 h1.5
  text "+5V" at 28.067,194.449 h1.5
  text "ESP" at 45.72,193.433 h1.5
  text "ESP" at 60.452,193.433 h1.5
  text "2" at 49.403,192.024 h1.5
  text "2" at 58.166,192.024 h1.5
  text "GND" at 30.341,190.627 h1.5 r90
  text "PROG D+" at 45.073,190.5 h1.5 r90
  text "STM" at 45.466,190.512 h1.5
  text "STM" at 60.325,190.512 h1.5
  text "PROG D-" at 63.996,190.5 h1.5 r90
  text "3" at 58.166,189.496 h1.5
  text "3" at 49.403,189.369 h1.5
  text "ST-LINK v2.1" at 111.252,178.96 h2
  text "GND" at 12.319,177.177 h1.5
  text "Vcc 12-24 V" at 12.573,163.842 h1.5
  text "A2" at 123.571,150.622 h2 r90
  text "A1" at 123.571,145.669 h2 r90
  text "B1" at 123.571,140.716 h2 r90
  text "+12V" at 13.462,140.462 h1.5 r270
  text "GND" at 15.621,139.585 h1.5
  text "TMC2209" at 96.495,138.938 h3 r90
  text "CONTROLLER" at 99.924,136.906 h3 r90
  text "B2" at 123.571,135.509 h2 r90
Mechanical 1:
  lines w0.2: 126.43,197.461 126.43,5.461 11.43,5.461 11.43,197.485 126.43,197.485
Mechanical 15:
  lines w0.254: 37.211,100.965 37.211,99.695 42.291,99.695 42.291,100.965 ; 37.211,107.442 37.211,108.712 42.291,108.712 42.291,107.442 ; 39.751,99.695 39.751,100.965 ; 39.751,107.442 39.751,108.712
  text "RX STM ESP USB" at 33.147,108.966 h1.52
  text "PORTA STM" at 81.788,108.458 h1.52
  text "PA15" at 78.232,105.41 h1.52
  text "PA14" at 78.359,102.87 h1.52
  text "PA13" at 78.359,100.203 h1.52
  text "TX STM ESP USB" at 33.401,98.298 h1.52
  text "IR_OUT->PA12" at 66.675,97.663 h1.52
  text "PA4" at 52.451,88.392 h1.52 r90
  text "PA7" at 60.23,88.315 h1.52 r90
  text "IR->PA8" at 62.516,88.315 h1.52 r90
  text "PC1" at 84.614,88.315 h1.52 r90
  text "PC0" at 87.154,88.315 h1.52 r90
  text "PB7" at 89.694,88.315 h1.52 r90
  text "PB6" at 92.107,88.315 h1.52 r90
  text "PB11" at 94.774,88.315 h1.52 r90
  text "POT7->PA5" at 55.245,88.265 h1.52 r90
  text "PC2" at 82.207,88.237 h1.52 r90
  text "PA9" at 65.056,88.188 h1.52 r90
  text "PA11" at 70.517,88.188 h1.52 r90
  text "PC3" at 79.661,88.188 h1.52 r90
  text "PA6" at 57.69,88.061 h1.52 r90
  text "PA10" at 67.723,88.061 h1.52 r90
  text "PORTA4-11 STM" at 50.419,77.47 h1.52
  text "PORTB_C STM" at 78.613,77.343 h1.52
  text "ESP_GPIO33" at 46.482,71.374 h1.52
  text "ESP_GPIO32" at 46.482,68.834 h1.52
  text "DIODY LED" at 106.68,67.945 h1.52
  text "ESP_GPIO13" at 46.482,66.294 h1.52
  text "ESP_GPIO12" at 46.482,63.754 h1.52
  text "Wyprowadzenia STM do LED" at 82.804,63.754 h1.52
  text "ESP_GPIO15" at 46.482,61.214 h1.52
  text "PC4" at 86.36,59.817 h1.52
  text "ESP_GPIO14" at 46.482,58.674 h1.52
  text "PC5" at 86.233,57.15 h1.52
  text "PC6" at 86.233,54.61 h1.52
  text "PC7" at 86.233,52.07 h1.52
  text "PC8" at 86.233,49.657 h1.52
  text "PC9" at 86.233,47.244 h1.52
  text "SW2->PB3" at 72.644,44.831 h1.52 r90
  text "TEMP->PB5" at 67.564,44.704 h1.52 r90
  text "SW1->PB4" at 70.104,44.704 h1.52 r90
  text "SW3->PB2" at 75.184,44.704 h1.52 r90
  text "SW4->PB1" at 77.597,44.704 h1.52 r90
  text "SW5->PB0" at 80.01,44.704 h1.52 r90
  text "PC12" at 84.963,44.577 h1.52
  text "PC13" at 84.963,42.037 h1.52
  text "ESP_GPIO0" at 15.367,36.449 h1.52 r90
  text "ESP_GPIO2" at 17.78,36.449 h1.52 r90
  text "ESP_GPIO4" at 20.193,36.449 h1.52 r90
  text "ESP_GPIO5" at 22.987,36.322 h1.52 r90
  text "ESP_GPIO16" at 25.527,36.322 h1.52 r90
  text "ESP_GPIO17" at 28.067,36.322 h1.52 r90
  text "ESP_GPIO18" at 30.607,36.322 h1.52 r90
  text "ESP_GPIO19" at 33.147,36.322 h1.52 r90
  text "ESP_GPIO21" at 35.687,36.322 h1.52 r90
  text "ESP_GPIO22" at 38.227,36.322 h1.52 r90
  text "ESP_GPIO23" at 40.767,36.322 h1.52 r90
  text "ESP_GPIO25" at 43.307,36.322 h1.52 r90
  text "ESP_GPIO26" at 45.847,36.322 h1.52 r90
  text "ESP_GPIO27" at 48.641,36.322 h1.52 r90
  text "ESP_GPIO34" at 51.054,36.322 h1.52 r90
  text "ESP_GPIO35" at 53.594,36.322 h1.52 r90
  text "Dioda IR" at 12.192,26.797 h1.52
  text "Potencjometr" at 107.95,26.035 h1.52

## Text inside footprints (layer, text, board x,y; h text height)
CN1: Mechanical 1 "PCB Edge" at 42.724,198.299 h0.8 r180